# Altium PCB mini.PcbDoc
Units mil, origin at the board's own origin, x right, y up, seen from the top; angles counter-clockwise.
Board outline 3915 x 2850 mil, 2 copper layers (Top Layer, Bottom Layer); 47 components, 84 nets, 264 pads, 0 vias.
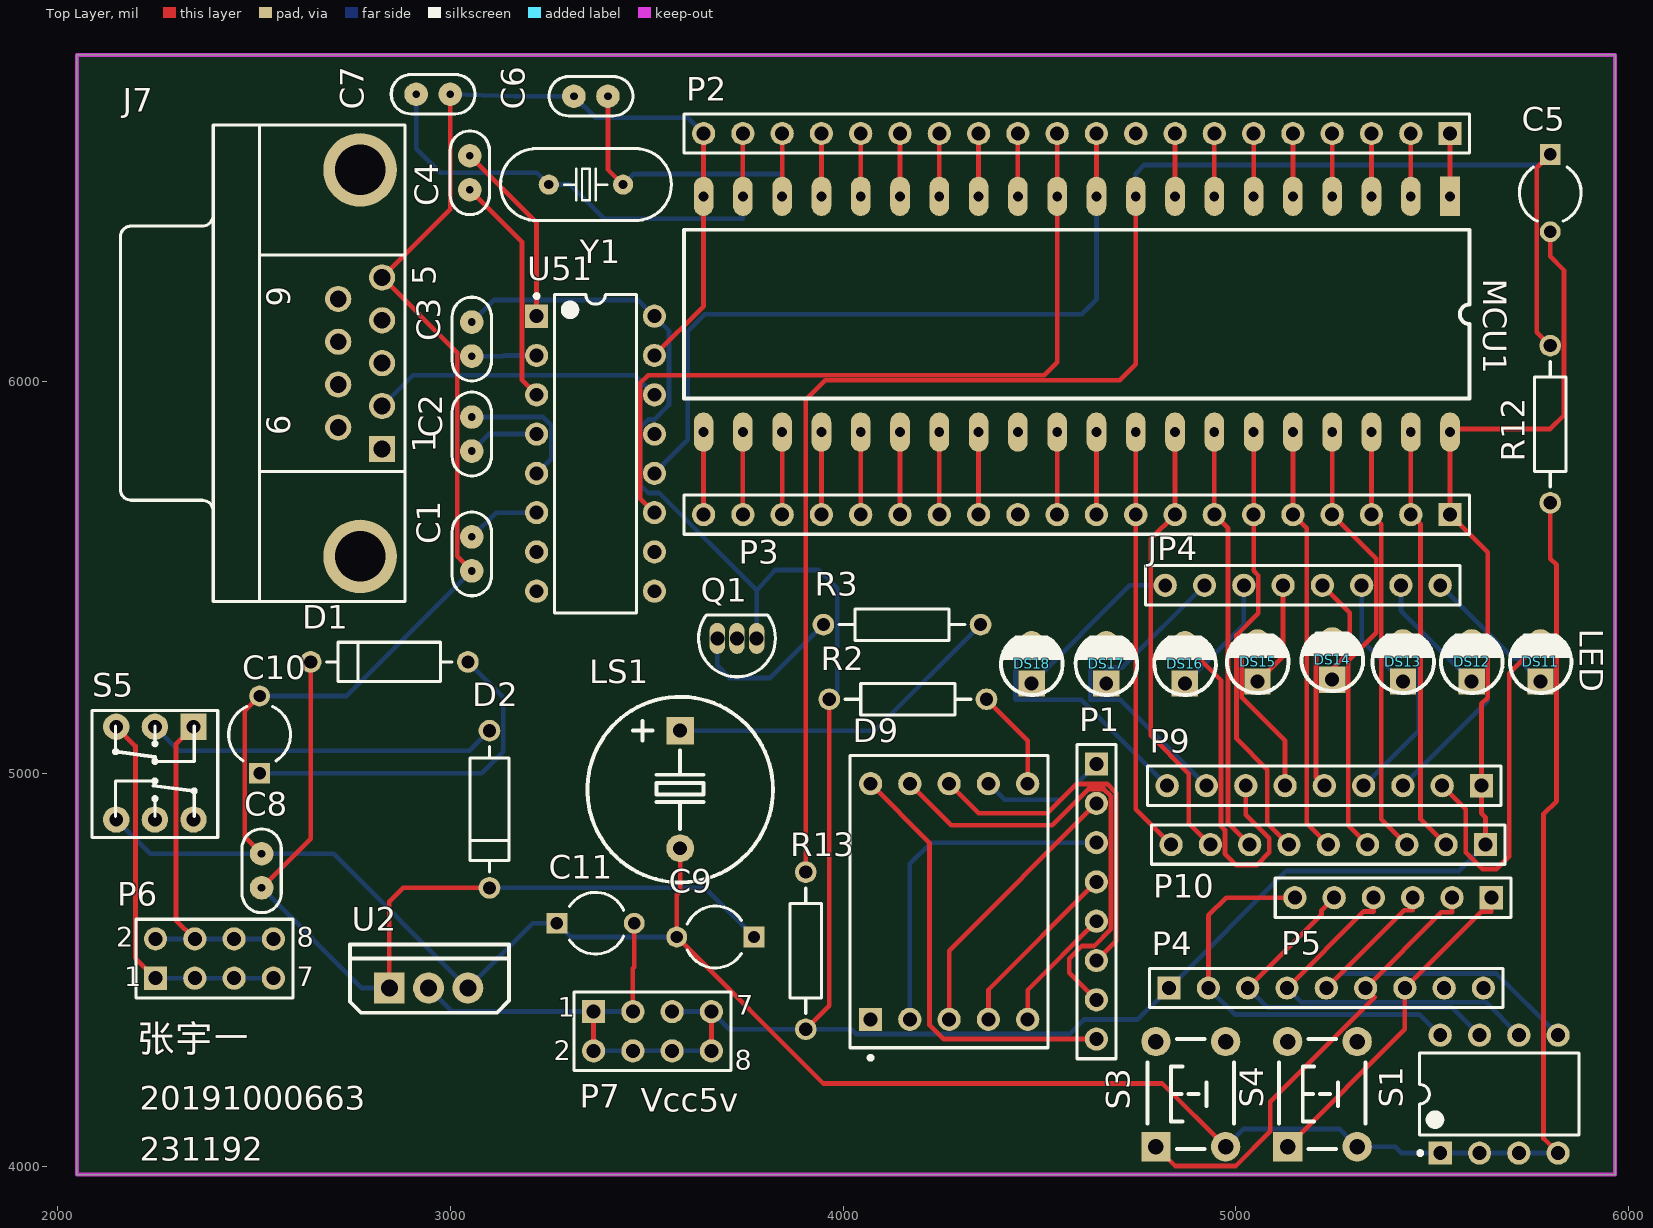
[diagram p0: Top Layer view]
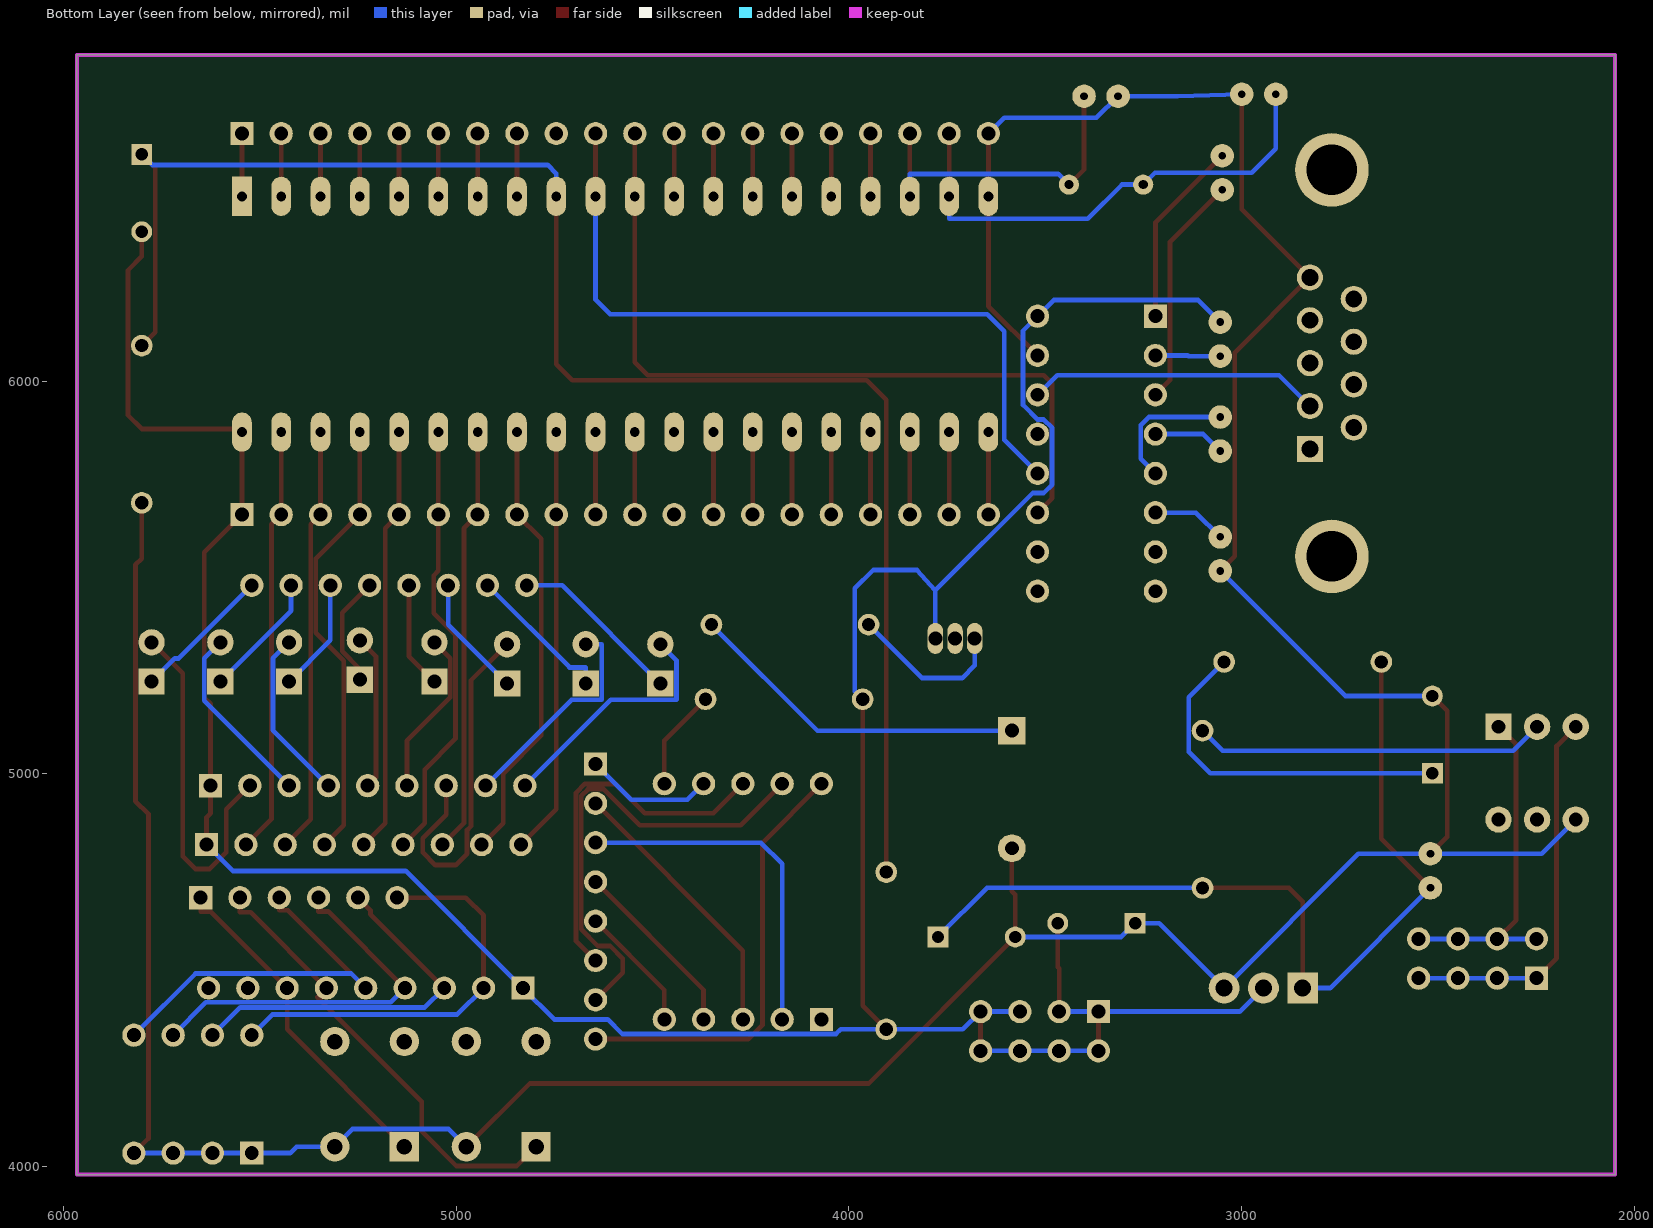
[diagram p1: Bottom Layer view, seen from below]

## Layer stack, top to bottom
Top Solder: solder mask 0.4, Solder Resist, Dk 3.5
Top Layer: signal copper 1.4
Dielectric 1: dielectric 12.6, FR-4, Dk 4.8
Bottom Layer: signal copper 1.4
Bottom Solder: solder mask 0.4, Solder Resist, Dk 3.5

## Board outline
2050,3980 2050,6830 5965,6830 5965,3980

## Design rules (kind name [scope] priority, off if disabled: settings)
Clearance [All] p1: gap=1 ignorepadtopadclearanceinfootprint=FALSE
HoleSize [All] p1: absolutevalues=TRUE maxlimit=200 minlimit=1 maxpercent=80.000 minpercent=20.000
HoleToHoleClearance [All] p1: gap=0 allowstackedmicrovias=TRUE
MinimumSolderMaskSliver [All] p1: minsoldermaskwidth=0
PolygonConnect [All] p1: connectstyle=Relief reliefconductorwidth=10 reliefentries=4 polygonreliefangle="90 Angle" airgapwidth=10
RoutingVias [All] p1: holewidth=32 width=62 viastyle="Through Hole" minholewidth=28 minwidth=50 maxholewidth=28 maxwidth=50
ShortCircuit [All] p1: allowed=TRUE
SilkToSilkClearance [All] p1: silktosilkclearance=0
SilkToSolderMaskClearance [IsPad] p1: minsilkscreentomaskgap=0 clearancetoexposedcopper=TRUE
SolderMaskExpansion [All] p1: expansion=4
Width [All] p1: maxlimit=12 minlimit=12 preferedwidth=12
24 further rules are at their usual default settings.

## Components (designator, comment, footprint, x,y, rotation, side; value= is the part's Value field where it differs from the comment)
C1 "Cap Pol2" "CC 2.2*5" 3055,5560 r90 top value=0.1uF
C2 "Cap Pol2" "CC 2.2*5" 3055,5865 r90 top value=0.1uF
C3 "Cap Pol2" "CC 2.2*5" 3055,6106.69 r90 top value=0.1uF
C4 "Cap Pol2" "CC 2.2*5" 3050,6530 r270 top value=0.1uF
C5 "Cap" CAPR5-4X5 5800,6478.43 r270 top value=10uF
C6 "Cap" "CC 2.2*5" 3358.31,6725 r0 top value=10uF
C7 "Cap" "CC 2.2*5" 2956.69,6730 r180 top value=10uF
C8 "Cap" "CC 2.2*5" 2520,4753.31 r270 top value=0.1uF
C9 "Cap2" CAPR5-4X5 3675,4585 r180 top value=100uF
C10 "Cap2" CAPR5-4X5 2515,5100 r90 top value=220uF
C11 "Cap" CAPR5-4X5 3370,4620 r0 top value=0.1uF
D1 "Diode 1N4007" DIODE-0.4 2845,5285 r180 top
D2 "Diode 1N4148" DIODE-0.4 3100,4910 r270 top
D9 "Dpy Amber-CC" H 4270,4675 r0 top
DS11 "LED0" "LED 3MM-R" 5775,5285 r90 top
DS12 "LED0" "LED 3MM-R" 5600,5285 r90 top
DS13 "LED0" "LED 3MM-R" 5425,5285 r90 top
DS14 "LED0" "LED 3MM-R" 5245,5290 r90 top
DS15 "LED0" "LED 3MM-R" 5055,5285 r90 top
DS16 "LED0" "LED 3MM-R" 4870,5280 r90 top
DS17 "LED0" "LED 3MM-R" 4670,5280 r90 top
DS18 "LED0" "LED 3MM-R" 4480,5280 r90 top
J7 "D Connector 9" DSUB1.385-2H9 2396.89,6045.47 r90 top
JP4 "Header 8H" HDR1X8#1 4820,5480 r0 top
LS1 "Speaker" "BEEP 7.6X12X7.5" 3585,4960 r180 top
MCU1 "AT89S5x" DIP40 5545,6470 r270 top
P1 "Header 8" HDR1X8#2 4645,5025 r270 top
P2 "Header 20H" HDR1X20 5545,6630 r180 top
P3 "Header 20H" HDR1X20 5545,5660 r180 top
P4 "Header 9" HDR1X9 4830,4455 r0 top
P5 "Header 6H" HDR1X6 5650,4685 r180 top
P6 "Header 4X2" HDR2X4#1 2250,4480 r0 top
P7 "Header 4X2" HDR2X4#2 3365,4395 r0 top
P9 "Header 9" HDR1X9 5625,4970 r180 top
P10 "Header 9" HDR1X9 5635,4820 r180 top
Q1 "2N3906" BCY-W3/E4 3730,5345 r90 top
R2 "Res2" AXIAL-0.4 4165,5190 r0 top value=100
R3 "Res2" AXIAL-0.4 4150,5380 r180 top value=1K
R12 "Res2" AXIAL-0.4 5800,5890 r90 top value=10K
R13 "SW-SPST" AXIAL-0.4 3905,4550 r270 top (schematic designator S13)
S1 "SW-DIP4" DIP-8 5670,4185 r90 top
S3 "SW-PB" "TSW DIP-6*6*5" 4885,4185 r90 top
S4 "SW-PB" "TSW DIP-6*6*5" 5220,4185 r90 top
S5 "SW-DPST" "KFT DIP-8X8" 2248.43,5001.89 r180 top
U2 "L7805CV" TO220A 2945,4455 r0 top
U51 "MAX232ACPE" DIP-16 3370,5815 r0 top
Y1 "XTAL" "OSC HC-49S" 3345.51,6500 r180 top value=12M

## Footprints (in the part's own frame and the unit in brackets; to place one, negate y for a bottom-side part, rotate by r counter-clockwise, add the part's x,y. Pads: shape width x height; smd on the part's side, far side on the other; paste and mask are expansions set on the pad)
AXIAL-0.4 [mm] "Axial Device, Thru-Hole; 2 Leads; 0.4 in Pin Spacing"
  round 1.4 hole 0.85: 1(-5.08,0) 2(5.08,0)
  silkscreen extent -4.06,-1.02 4.06,1.02
BCY-W3/E4 [mm]
  oval 2x1 hole 0.9: 1(0,-1.27) 2(0,0) 3(0,1.27)
  silkscreen extent -2.48,-2.48 1.5,2.48
"BEEP 7.6X12X7.5" [mm]
  rect 1.8x1.8 hole 0.9: 1(-0.011,-3.811)
  round 1.8 hole 0.9: 2(-0.011,3.789)
  silkscreen extent -6.01,-6 5.99,6, body extent -6.01,-5.93 5.99,6.07, height 7.55
CAPR5-4X5 [mm] "Capacitor; 2 Leads"
  rect 1.35x1.35 hole 0.8: 1(-2.5,0)
  round 1.35 hole 0.8: 2(2.5,0)
  silkscreen extent -1.69,-2 1.82,2
"CC 2.2*5" [mil]
  round 60 hole 19.68: 1(-43.31,0) 2(43.31,0)
  silkscreen extent -107,-50 107,50, body extent -94,-36 94,36, height 189
DIODE-0.4 [mm] "Diode, Thru-Hole; 2 Leads; 0.4 in Pin Spacing"
  round 1.4 hole 0.85: 1(-5.08,0) 2(5.08,0)
  silkscreen extent -4.06,-1.27 4.06,1.27
DIP40 [mil]
  rect 100x50 hole 25: 1(0,0)
  oval 100x50 hole 25: 2(0,-100) 3(0,-200) 4(0,-300) 5(0,-400) 6(0,-500) 7(0,-600) 8(0,-700) 9(0,-800) 10(0,-900) 11(0,-1000) 12(0,-1100) 13(0,-1200) 14(0,-1300) 15(0,-1400) 16(0,-1500) 17(0,-1600) 18(0,-1700) 19(0,-1800) 20(0,-1900) 21(600,-1900) 22(600,-1800) 23(600,-1700) 24(600,-1600) 25(600,-1500) 26(600,-1400) 27(600,-1300) 28(600,-1200) 29(600,-1100) 30(600,-1000) 31(600,-900) 32(600,-800) 33(600,-700) 34(600,-600) 35(600,-500) 36(600,-400) 37(600,-300) 38(600,-200) 39(600,-100) 40(600,0)
  silkscreen extent 85,-1950 515,50
DIP-8 [mm] "DIP; 8 Leads; Row Spacing 7.62 mm; Pitch 2.54 mm"
  rect 1.5x1.5 hole 0.9: 1(-3.81,3.81)
  round 1.5 hole 0.9: 2(-3.81,1.27) 3(-3.81,-1.27) 4(-3.81,-3.81) 5(3.81,-3.81) 6(3.81,-1.27) 7(3.81,1.27) 8(3.81,3.81)
  silkscreen extent -3.93,-5.15 2.65,5.23, body extent -3.6,-5.15 3.6,5.15, height 5.08
DIP-16 [mm] "DIP; 16 Leads; Row Spacing 7.62 mm; Pitch 2.54 mm"
  rect 1.5x1.5 hole 0.9: 1(-3.81,8.89)
  round 1.5 hole 0.9: 2(-3.81,6.35) 3(-3.81,3.81) 4(-3.81,1.27) 5(-3.81,-1.27) 6(-3.81,-3.81) 7(-3.81,-6.35) 8(-3.81,-8.89) 9(3.81,-8.89) 10(3.81,-6.35) 11(3.81,-3.81) 12(3.81,-1.27) 13(3.81,1.27) 14(3.81,3.81) 15(3.81,6.35) 16(3.81,8.89)
  silkscreen extent -3.93,-10.3 2.65,10.31, body extent -3.6,-10.28 3.6,10.28, height 5.08
DSUB1.385-2H9 [mm] "Connector; D Subminiature; 9 Position; Right Angle; Pitch 1.385 mm"
  rect 1.69x1.69 hole 1.09: 1(-5.54,-10.92)
  round 1.69 hole 1.09: 2(-2.77,-10.92) 3(0,-10.92) 4(2.77,-10.92) 5(5.54,-10.92) 6(-4.155,-8.08) 7(-1.385,-8.08) 8(1.385,-8.08) 9(4.155,-8.08)
  round 4.76 hole 3.26: 10(-12.495,-9.5) 11(12.495,-9.5)
  silkscreen extent -15.4,-12.4 15.4,6
H [mm] "LED, 7-Segment Display, 14.2 mm, RHD; 10 Leads; Row Space 15.24 mm; Pitch 2.54 mm"
  rect 1.5x1.5 hole 0.9: 1(-5.08,-7.62)
  round 1.5 hole 0.9: 2(-2.54,-7.62) 3(0,-7.62) 4(2.54,-7.62) 5(5.08,-7.62) 6(5.08,7.62) 7(2.54,7.62) 8(0,7.62) 9(-2.54,7.62) 10(-5.08,7.62)
  silkscreen extent -6.4,-10.22 6.4,9.45, body extent -6.4,-9.45 6.4,9.45, height 8.25
HDR1X6 [mm] "Connector; Header; 6 Position"
  rect 1.5x1.5 hole 0.9: 1(0,0)
  round 1.5 hole 0.9: 2(2.54,0) 3(5.08,0) 4(7.62,0) 5(10.16,0) 6(12.7,0)
  silkscreen extent -1.27,-1.27 13.97,1.27
HDR1X8#1 [mm] "Connector; Header; 8 Position"
  round 1.5 hole 0.9: 1(0,0) 2(2.54,0) 3(5.08,0) 4(7.62,0) 5(10.16,0) 6(12.7,0) 7(15.24,0) 8(17.78,0)
  silkscreen extent -1.27,-1.27 19.05,1.27
HDR1X8#2 [mm] "Connector; Header; 8 Position"
  rect 1.5x1.5 hole 0.9: 1(0,0)
  round 1.5 hole 0.9: 2(2.54,0) 3(5.08,0) 4(7.62,0) 5(10.16,0) 6(12.7,0) 7(15.24,0) 8(17.78,0)
  silkscreen extent -1.27,-1.27 19.05,1.27
HDR1X9 [mm] "Connector; Header; 3x2 Position"
  rect 1.5x1.5 hole 0.9: 1(0,0)
  round 1.5 hole 0.9: 2(2.54,0) 3(5.08,0) 4(7.62,0) 5(10.16,0) 6(12.7,0) 7(15.24,0) 8(17.78,0) 9(20.32,0)
  silkscreen extent -1.27,-1.27 21.59,1.27
HDR1X20 [mm] "Connector; Header; 20 Position"
  rect 1.5x1.5 hole 0.9: 1(0,0)
  round 1.5 hole 0.9: 2(2.54,0) 3(5.08,0) 4(7.62,0) 5(10.16,0) 6(12.7,0) 7(15.24,0) 8(17.78,0) 9(20.32,0) 10(22.86,0) 11(25.4,0) 12(27.94,0) 13(30.48,0) 14(33.02,0) 15(35.56,0) 16(38.1,0) 17(40.64,0) 18(43.18,0) 19(45.72,0) 20(48.26,0)
  silkscreen extent -1.27,-1.27 49.53,1.27
HDR2X4#1 [mm] "Connector; Header; 4x2 Position"
  rect 1.5x1.5 hole 0.9: 1(0,0)
  round 1.5 hole 0.9: 2(0,2.54) 3(2.54,0) 4(2.54,2.54) 5(5.08,0) 6(5.08,2.54) 7(7.62,0) 8(7.62,2.54)
  silkscreen extent -1.27,-1.27 8.89,3.81
HDR2X4#2 [mm]
  rect 1.5x1.5 hole 0.9: 1(0,0)
  round 1.5 hole 0.9: 2(0,-2.54) 3(2.54,0) 4(2.54,-2.54) 5(5.08,0) 6(5.08,-2.54) 7(7.62,0) 8(7.62,-2.54)
  silkscreen extent -1.27,-3.81 8.89,1.27
"KFT DIP-8X8" [mm]
  rect 1.7x1.7 hole 0.9: 1(-2.5,-3)
  round 1.7 hole 0.9: 2(0,-3) 3(2.5,-3) 4(2.5,3) 5(0,3) 6(-2.5,3)
  silkscreen extent -4.06,-4.06 4.06,4.15, body extent -3.95,-3.95 4.05,4.05, height 13.1
"LED 3MM-R" [mm]
  rect 1.7x1.7 hole 0.9: 1(-1.27,0)
  round 1.7 hole 0.9: 2(1.27,0)
  silkscreen extent -2.01,-2 1.72,1.98, body extent -1.95,-1.95 1.64,1.95, height 5.55
"OSC HC-49S" [mm]
  round 1.3 hole 0.6: 1(-2.4,0) 2(2.4,0)
  silkscreen extent -5.52,-2.32 5.52,2.33, body extent -5.52,-2.32 5.53,2.33, height 4.13
TO220A [mm]
  rect 2x2 hole 1.1: 1(-2.54,0)
  round 2 hole 1.1: 2(0,0) 3(2.54,0)
  silkscreen extent -5.08,-1.6 5.21,2.82, body extent -5.15,-1.53 5.15,2.9, height 18.5
"TSW DIP-6*6*5" [mm]
  rect 1.9x1.9 hole 1: 1(-3.4,2.25)
  round 1.9 hole 1: 2(-3.4,-2.25) 3(3.4,-2.25) 4(3.4,2.25)
  silkscreen extent -3.56,-2.79 3.56,2.79, body extent -4.11,-3 4.11,3, height 4.95

## Part data
C1 C2 C3 C4: "Polarized Capacitor (Axial)", LatestRevisionDate=17-Jul-2002, LatestRevisionNote="Re-released for DXP Platform.", Published=8-Jun-2000, Publisher="Altium Limited"
C5 C6 C7 C8 C9 C10 C11: "Capacitor", Publisher="Altium Limited"
  C5 C6 C7 C8 C11: LatestRevisionDate=17-Jul-2002, LatestRevisionNote="Re-released for DXP Platform.", Published=8-Jun-2000
  C9 C10: Published=23-Sep-2002
D1: "1 Amp General Purpose Rectifier", PackageDocument=Aug-1999, Code_JEDEC=DO-204-AL, DatasheetDocument=1998, LatestRevisionDate=17-Jul-2002, LatestRevisionNote="Re-released for DXP Platform.", PackageReference=DO-41, Published=8-Jun-2000, Publisher="Altium Limited"
D2: "High Conductance Fast Diode", Code_JEDEC=DO-204-AH, DatasheetDocument=1997, LatestRevisionDate=17-Jul-2002, LatestRevisionNote="Re-released for DXP Platform.", PackageReference=DO-35, Published=8-Jun-2000, Publisher="Altium Limited"
D9: "7.6 mm Black Surface 7-Segment Display: CC, RH DP", Colour=Orange, Package Information="Latest Revision: 19-Feb-2002", Package Reference=A, Datasheet="Latest Revision: 19-Feb-2002", Min. Intensity="354 ucd", Note="IF = 5 mA", Publisher="Altium Limited"
DS11 DS12 DS13 DS14 DS15 DS16 DS17 DS18: "Typical INFRARED GaAs LED", Published=8-Jun-2000, Publisher="Altium Limited"
  DS11 DS12: Revision="July-2002: Re-released for DXP Platform."
  DS13 DS14 DS15 DS16 DS17 DS18: LatestRevisionDate=17-Jul-2002, LatestRevisionNote="Re-released for DXP Platform."
J7: "Receptacle Assembly, 9 Position, Right Angle", PackageDocument=O, DatasheetDocument=1-Sep-1999, Gender=Receptacle, LatestRevisionDate=17-Jul-2002, LatestRevisionNote="Re-released for DXP Platform.", Orientation="Right Angle", PackageReference=788750, Positions=9, Published=15-Jun-2001, Publisher="Altium Limited"
JP4: "Header, 8-Pin, Right Angle", Publisher="Altium Limited", Revision="17-Jul-2002: Re-released for DXP Platform."
LS1: "Loudspeaker", LatestRevisionDate=17-Jul-2002, LatestRevisionNote="Re-released for DXP Platform.", Published=24-Mar-1999, Publisher="Altium Limited"
MCU1: "51单片机"
P1: "Header, 8-Pin", LatestRevisionDate=17-Jul-2002, LatestRevisionNote="Re-released for DXP Platform.", Publisher="Altium Limited"
P2 P3: "Header, 20-Pin, Right Angle", LatestRevisionDate=17-Jul-2002, LatestRevisionNote="Re-released for DXP Platform.", Publisher="Altium Limited"
P4 P9 P10: "Header, 9-Pin", LatestRevisionDate=17-Jul-2002, LatestRevisionNote="Re-released for DXP Platform.", Publisher="Altium Limited"
P5: "Header, 6-Pin, Right Angle", LatestRevisionDate=17-Jul-2002, LatestRevisionNote="Re-released for DXP Platform.", Publisher="Altium Limited"
P6 P7: "Header, 4-Pin, Dual row", LatestRevisionDate=17-Jul-2002, LatestRevisionNote="Re-released for DXP Platform.", Publisher="Altium Limited"
Q1: "PNP General Purpose Amplifier", Code_JEDEC=TO-92A, DatasheetDocument=1997, LatestRevisionDate=15-Jan-2003, LatestRevisionNote="PCB Footprint 'BCY-W3/D4.7' replaced", PackageReference=TO-92A, Published=8-Jun-2000, Publisher="Altium Limited"
R2 R3 R12: "Resistor", LatestRevisionDate=17-Jul-2002, LatestRevisionNote="Re-released for DXP Platform.", Published=8-Jun-2000, Publisher="Altium Limited"
R13: "Single-Pole, Single-Throw Switch", Published=24-Mar-1999, Publisher="Altium Limited", Revision="July-2002: Re-released for DXP Platform."
S1: "DIP Switch", Published=24-Mar-1999, Publisher="Altium Limited", Revision="July-2002: Re-released for DXP Platform."
S3 S4: "Switch", LatestRevisionDate=17-Jul-2002, LatestRevisionNote="Re-released for DXP Platform.", Published=24-Mar-1999, Publisher="Altium Limited"
S5: "Double-Pole, Single-Throw Switch", LatestRevisionDate=17-Jul-2002, LatestRevisionNote="Re-released for DXP Platform.", Published=24-Mar-1999, Publisher="Altium Limited"
U2: "Positive Voltage Regulator", PackageDocument=Jun-1998, DatasheetDocument=Dec-1998, LatestRevisionDate=17-Jul-2002, LatestRevisionNote="Re-released for DXP Platform.", Note="Tab is connected to pin 3 (GND).", PackageReference=TO220ABN, Published=24-Aug-2001, Publisher="Altium Limited"
U51: "+5V Powered, Multi-Channel RS-232 Driver/Receiver", PackageDocument=1997, Code_JEDEC=MS-001-BB, LatestRevisionDate=17-Jul-2002, LatestRevisionNote="Re-released for DXP Platform.", PackageReference=PE16A, Published=16-Jan-2001, Publisher="Altium Limited"
Y1: "Crystal Oscillator", LatestRevisionDate=17-Jul-2002, LatestRevisionNote="Re-released for DXP Platform.", Published=8-Jun-2000, Publisher="Altium Limited"

## Nets (pads, with @x,y where several pads share a name; then routed paths per layer and width w, separated by ;. In a path a pad name is that pad's centre, name@x,y a point inside that pad or via, vN(x,y) a via of type N, cw(c..) or ccw(c..) an arc to the next point about the centre after c; other vN are vias at no path point)
ALE: MCU1.30 P3.11 | length 210
  Top Layer w12: P3.11 MCU1.30
Bet+: P6.2 P6.4 P6.6 P6.8 S5.1 | length 878.5
  Top Layer w12: S5.1 2302,5075.15 2302,4628 P6.4
  Bottom Layer w12: P6.2 P6.4 P6.6 P6.8
Bet-: P6.1 P6.3 P6.5 P6.7 S5.3 | length 981.4
  Top Layer w12: S5.3 2199,5071 2199,4531 P6.1
  Bottom Layer w12: P6.1 P6.3 P6.5 P6.7
E\A\: MCU1.31 P3.10 | length 210
  Top Layer w12: P3.10 MCU1.31
GND: C1.1 C6.1 C7.1 C8.1 C9.2 C10.2 C11.1 J7.5 LS1.2 MCU1.20 P2.20 R12.1 S1.1 S1.2 S1.3 S1.4 S3.2 S4.2 S5.4 U2.3 U51.15 | length 9903.5
  Top Layer w12: C10.2 2477,5160.43 2477,4839.61 C8.1 ; C7.1 3000,6436.77 J7.5 3018,6072.39 3018,5553.69 C1.1 ; U51.15 3645,6190 MCU1.20 P2.20 ; LS1.2 3585.43,4701.85 3576.57,4693 C9.2 3949.57,4212 4812.72,4212 S3.2 ; R12.1 5800,5548 5816,5532 5816,4931 5783,4898 5783,4072 S1.4
  Bottom Layer w12: S5.4 2237.17,4796.61 C8.1 2703.39,4796.61 U2.3 3210,4620 C11.1 3306.57,4585 C9.2 ; C10.2 2736.73,5198.43 C1.1 ; C7.1 3163,6725 C6.1 3370,6670 3605,6670 P2.20 ; S3.2 5018.44,4096 5263.72,4096 S4.2 5406,4051.14 5422.14,4035 S1.1 S1.2 S1.3 S1.4
NetC1_2: C1.2 U51.6 | length 190.6
  Bottom Layer w12: C1.2 3116.69,5665 U51.6
NetC2_1: C2.1 U51.4 | length 182.9
  Bottom Layer w12: C2.1 3098.31,5865 U51.4
NetC2_2: C2.2 U51.5 | length 348.7
  Bottom Layer w12: C2.2 3236.69,5908.31 3257,5888 3257,5802 U51.5
NetC3_1: C3.1 U51.2 | length 165.7
  Bottom Layer w12: C3.1 3136,6063.39 3137.61,6065 U51.2
NetC4_1: C4.1 U51.1 | length 478.7
  Top Layer w12: C4.1 3220,6403.31 U51.1
NetC4_2: C4.2 U51.3 | length 592.1
  Top Layer w12: C4.2 3183,6353.69 3183,6002 U51.3
NetC8_2: C8.2 C9.1 D1.2 D2.2 U2.1 | length 2272.1
  Top Layer w12: C8.2 2645,4835 D1.2 ; U2.1 2845,4675 2880,4710 D2.2
  Bottom Layer w12: C8.2 2775,4455 U2.1 ; D2.2 3648.43,4710 C9.1
NetC10_1: C10.1 D1.1 | length 908.8
  Bottom Layer w12: C10.1 3080.57,5001.57 3135,5056 3135,5195 D1.1
NetD2_1: D2.1 S5.2 | length 898
  Bottom Layer w12: S5.2 2309.43,5059 3049,5059 D2.1
NetD9_2: D9.2 P1.3 | length 893.4
  Bottom Layer w12: D9.2 4170,4771 4224,4825 P1.3
NetD9_3: D9.3 P1.2 | length 705.3
  Top Layer w12: D9.3 4270,4550 P1.2
NetD9_4: D9.4 P1.4 | length 463.9
  Top Layer w12: D9.4 4370,4450 P1.4
NetD9_5: D9.5 P1.5 | length 322.5
  Top Layer w12: D9.5 4470,4450 P1.5
NetD9_6: D9.6 R2.2 | length 258.5
  Top Layer w12: R2.2 4470,5085 D9.6
NetD9_7: D9.7 P1.1 | length 329.7
  Bottom Layer w12: D9.7 4411,4934 4554,4934 P1.1
NetD9_8: D9.8 P1.6 | length 943.3
  Top Layer w12: D9.8 4345,4900 4520,4900 4594.53,4974.53 4672,4974.53 4694.53,4952 4694.53,4574.53 P1.6
NetD9_9: D9.9 P1.7 | length 1210.5
  Top Layer w12: D9.9 4276,4869 4532,4869 4624.53,4961.53 4664,4961.53 4681.53,4944 4681.53,4604.53 4639,4562 4608,4562 4576,4530 4576,4494 P1.7
NetD9_10: D9.10 P1.8 | length 1116
  Top Layer w12: D9.10 4220,4825 4220,4361 4256,4325 P1.8
NetDS11_1: DS11.1 JP4.8 | length 356.5
  Bottom Layer w12: JP4.8 5706,5294 5716,5294 DS11.1
NetDS11_2: DS11.2 P9.2 | length 914.2
  Top Layer w12: P9.2 5585,4910 5585,4800 5627,4758 5664,4758 5696,4790 5696,5256 DS11.2
NetDS12_1: DS12.1 JP4.7 | length 319.6
  Bottom Layer w12: JP4.7 5420,5415 DS12.1
NetDS12_2: DS12.2 P9.3 | length 471.5
  Bottom Layer w12: P9.3 5641,5186 5641,5294 DS12.2
NetDS13_1: DS13.1 JP4.6 | length 288.5
  Bottom Layer w12: JP4.6 5320,5340 DS13.1
NetDS13_2: DS13.2 P9.4 | length 440.4
  Bottom Layer w12: P9.4 5466,5111 5466,5294 DS13.2
NetDS14_1: DS14.1 JP4.5 | length 287.6
  Top Layer w12: JP4.5 5290,5410 5290,5312 5245,5267 DS14.1
NetDS14_2: DS14.2 P9.5 | length 395.7
  Top Layer w12: P9.5 5204,4991 5204,5299 DS14.2
NetDS15_1: DS15.1 JP4.4 | length 271.9
  Top Layer w12: DS15.1 5120,5300 JP4.4
NetDS15_2: DS15.2 P9.6 | length 427.5
  Top Layer w12: DS15.2 5014.53,5294.53 5014.53,5194.53 5125,5084.07 P9.6
NetDS16_1: DS16.1 JP4.3 | length 312.1
  Bottom Layer w12: DS16.1 5020,5380 JP4.3
NetDS16_2: DS16.2 P9.7 | length 908.4
  Top Layer w12: DS16.2 4962,5238 4962,4867 4972,4857 4972,4797 5001,4768 5053,4768 5085,4800 5085,4836 5025,4896 P9.7
NetDS17_1: DS17.1 JP4.2 | length 377.6
  Bottom Layer w12: DS17.1 4670,5271 4711,5271 JP4.2
NetDS17_2: DS17.2 P9.8 | length 568.7
  Bottom Layer w12: DS17.2 4629,5330 4629,5189 4706,5189 P9.8
NetDS18_1: DS18.1 JP4.1 | length 443.6
  Bottom Layer w12: DS18.1 4730,5480 JP4.1
NetDS18_2: DS18.2 P9.9 | length 634.7
  Bottom Layer w12: DS18.2 4439,5289 4439,5189 4606,5189 P9.9
NetJ7_2: J7.2 U51.14 | length 746.4
  Bottom Layer w12: J7.2 2905.39,6015 3470,6015 U51.14
NetLS1_1: LS1.1 R3.1 | length 876.4
  Bottom Layer w12: LS1.1 4080.03,5110.03 R3.1
NetP4_2: P4.2 P5.6 S1.8 | length 1063.3
  Top Layer w12: P4.2 4930,4640 4975,4685 P5.6
  Bottom Layer w12: P4.2 4997.12,4387.88 5467.12,4387.88 S1.8
NetP4_3: P4.3 P5.5 S1.7 | length 960.8
  Top Layer w12: P4.3 5218,4643 5218,4653 P5.5
  Bottom Layer w12: P4.3 5079.53,4405.47 5549.53,4405.47 S1.7
NetP4_4: P4.4 P5.4 S1.6 | length 975.5
  Top Layer w12: P4.4 5325,4650 5350,4650 P5.4
  Bottom Layer w12: P4.4 5166.53,4418.47 5636.53,4418.47 S1.6
NetP4_5: P4.5 P5.3 S1.5 | length 1004.4
  Top Layer w12: P4.5 5428,4653 5450,4653 P5.3
  Bottom Layer w12: P4.5 5267,4492 5663,4492 S1.5
NetP4_6: P4.6 P5.2 S3.1 | length 1169
  Top Layer w12: S3.1 4845.56,4002 4999,4002 5087,4090 5087,4166 5353,4432 P4.6 5523,4648 5550,4648 P5.2
NetP4_7: P4.7 P5.1 S4.1 | length 863.9
  Top Layer w12: S4.1 5430,4349.72 P4.7 5624,4649 5650,4649 P5.1
NetQ1_3: Q1.3 R3.2 | length 408.6
  Bottom Layer w12: Q1.3 3680,5276 3712,5244 3814,5244 R3.2
P0.0: MCU1.39 P3.2 P10.2 | length 1087.3
  Top Layer w12: MCU1.39 P3.2 5470,5635 5470,4885 P10.2
P0.1: MCU1.38 P3.3 P10.3 | length 1087.3
  Top Layer w12: MCU1.38 P3.3 5370,5635 5370,4885 P10.3
P0.2: MCU1.37 P3.4 P10.4 | length 1146.1
  Top Layer w12: MCU1.37 P3.4 5357,5548 5357,5359 5286,5288 5286,4869 P10.4
P0.3: MCU1.36 P3.5 P10.5 | length 1087.3
  Top Layer w12: MCU1.36 P3.5 5180,5625 5180,4875 P10.5
P0.4: MCU1.35 P3.6 P10.6 | length 1133.2
  Top Layer w12: MCU1.35 P3.6 5045,5517 5057,5505 5057,5409 5001.53,5353.53 5001.53,5089.47 5080,5011 5080,4875 P10.6
P0.5: MCU1.34 P3.7 P10.7 | length 1087.3
  Top Layer w12: MCU1.34 P3.7 4980,5625 4980,4875 P10.7
P0.6: MCU1.33 P3.8 P10.8 | length 1138.6
  Top Layer w12: MCU1.33 P3.8 4783,5598 4783,5098 4880,5001 4880,4875 P10.8
P0.7: MCU1.32 P3.9 P10.9 | length 1087.3
  Top Layer w12: MCU1.32 P3.9 4745,4910 P10.9
P1.0: MCU1.1 P2.1 | length 160
  Top Layer w12: MCU1.1 P2.1
P1.1: MCU1.2 P2.2 | length 160
  Top Layer w12: MCU1.2 P2.2
P1.2: MCU1.3 P2.3 | length 160
  Top Layer w12: MCU1.3 P2.3
P1.3: MCU1.4 P2.4 | length 160
  Top Layer w12: MCU1.4 P2.4
P1.4: MCU1.5 P2.5 | length 160
  Top Layer w12: MCU1.5 P2.5
P1.5: MCU1.6 P2.6 | length 160
  Top Layer w12: MCU1.6 P2.6
P1.6: MCU1.7 P2.7 | length 160
  Top Layer w12: MCU1.7 P2.7
P1.7: MCU1.8 P2.8 | length 160
  Top Layer w12: MCU1.8 P2.8
P2.0: MCU1.21 P3.20 | length 210
  Top Layer w12: P3.20 MCU1.21
P2.1: MCU1.22 P3.19 | length 210
  Top Layer w12: P3.19 MCU1.22
P2.2: MCU1.23 P3.18 | length 210
  Top Layer w12: P3.18 MCU1.23
P2.3: MCU1.24 P3.17 | length 210
  Top Layer w12: P3.17 MCU1.24
P2.4: MCU1.25 P3.16 | length 210
  Top Layer w12: P3.16 MCU1.25
P2.5: MCU1.26 P3.15 | length 210
  Top Layer w12: P3.15 MCU1.26
P2.6: MCU1.27 P3.14 | length 210
  Top Layer w12: P3.14 MCU1.27
P2.7: MCU1.28 P3.13 | length 210
  Top Layer w12: P3.13 MCU1.28
P3.0: MCU1.10 P2.10 U51.12 | length 1893.3
  Top Layer w12: MCU1.10 P2.10
  Bottom Layer w12: U51.12 3605,5850 3605,6127 3648,6170 4608,6170 4645,6207 MCU1.10
P3.1: MCU1.11 P2.11 U51.11 | length 2010.7
  Top Layer w12: U51.11 3483,5702 3483,5994 3504,6015 4512,6015 4545,6048 MCU1.11 P2.11
P3.2: MCU1.12 P2.12 | length 160
  Top Layer w12: MCU1.12 P2.12
P3.3: MCU1.13 P2.13 | length 160
  Top Layer w12: MCU1.13 P2.13
P3.4: MCU1.14 P2.14 | length 160
  Top Layer w12: MCU1.14 P2.14
P3.5: MCU1.15 P2.15 | length 160
  Top Layer w12: MCU1.15 P2.15
P3.6: MCU1.16 P2.16 | length 160
  Top Layer w12: MCU1.16 P2.16
P3.7: MCU1.17 P2.17 | length 160
  Top Layer w12: MCU1.17 P2.17
R\S\T\: C5.1 MCU1.9 R12.2 R13.1 | length 4154.9
  Top Layer w12: R13.1 3905,5952 3955,6002 4704,6002 4745,6043 MCU1.9 ; R12.2 5766,6124 5766,6542.85 C5.1
  Bottom Layer w12: MCU1.9 4745,6528 4767,6550 5773.15,6550 C5.1
VCC: C3.2 C5.2 C11.2 MCU1.40 P3.1 P4.1 P7.1 P7.2 P7.3 P7.4 P7.5 P7.6 P7.7 P7.8 P9.1 P10.1 Q1.1 R2.1 R13.2 U2.2 U51.16 | length 8381.7
  Top Layer w12: P7.2 P7.1 ; P7.3 3465,4505 3468.43,4508.43 C11.2 ; P7.8 P7.7 ; R13.2 3965,4410 R2.1 ; P10.1 5635,4890 5625,4900 P9.1 5625,5178 5641,5194 5641,5564 P3.1 MCU1.40 5545,5878 5800,5878 5835,5913 5835,6282 5800,6317 C5.2
  Bottom Layer w12: U2.2 3005,4395 P7.1 P7.3 ; C3.2 3111,6206 3479,6206 U51.16 3557,6128 3557,5939 3520,5902 3504,5902 3483,5881 3483,5736 3504,5715 3532,5715 3780,5467 ; P7.2 P7.4 P7.6 P7.8 ; P7.5 P7.7 3710,4350 R13.2 4021,4350 4033,4338 4577,4338 4614,4375 4750,4375 P4.1 5128,4753 5568,4753 P10.1 ; Q1.1 3780,5467 ; R2.1 3985,5210 3985,5472 3938,5519 3827,5519 3780,5467
XTAL1: C7.2 MCU1.19 P2.19 Y1.2 | length 1261
  Top Layer w12: MCU1.19 P2.19
  Bottom Layer w12: C7.2 2913.39,6591.61 2975,6530 3221.02,6530 Y1.2 3305,6500 3392,6413 3745,6413 MCU1.19
XTAL2: C6.2 MCU1.18 P2.18 Y1.1 | length 874.1
  Top Layer w12: C6.2 3401.62,6538.38 Y1.1 ; MCU1.18 P2.18
  Bottom Layer w12: Y1.1 3467,6527 3845,6527 MCU1.18
pads on no net: D9.1 J7.1 J7.3 J7.4 J7.6 J7.7 J7.8 J7.9 J7.10 J7.11 MCU1.29 P2.9 P3.12 P4.8 P4.9 Q1.2 S3.3 S3.4 S4.3 S4.4 S5.5 S5.6 U51.7 U51.8 U51.9 U51.10 U51.13

## Keep-outs
Keep-Out Layer:
  the board outline again, w10

## Silkscreen, mask and mechanical layers (free items; w line width, h text height)
Top Overlay:
  text "LED" at 5875,5370 h60 r270
  text "张宇一" at 2205,4270 h120
  text "20191000663" at 2210,4145 h60
  text "Vcc5v" at 3485,4140 h60
  text "231192" at 2210,4015 h60
Drill Drawing:
  text ".LEGEND" at 7200,3200 h60
  text "Drill Drawing." at 7200,3100 h60

## Dimensions
2040,3855 to 5975,3805 on Mechanical 1
1910,6820 to 1905,3975 on Mechanical 1

## Text inside footprints (layer, text, board x,y; h text height)
J7: Top Overlay "6" at 2592.76,5862.2 h59.06 r90; Top Overlay "9" at 2592.76,6189.37 h59.06 r90; Top Overlay "5" at 2962.83,6243.9 h59.06 r90; Top Overlay "1" at 2962.83,5817.52 h59.06 r90
P6: Top Overlay "2" at 2150,4560 h50; Top Overlay "1" at 2170,4460 h50; Top Overlay "7" at 2610,4460 h50; Top Overlay "8" at 2610,4560 h50
P7: Top Overlay "2" at 3263.75,4271.54 h50; Top Overlay "1" at 3273.75,4381.54 h50; Top Overlay "7" at 3728.75,4386.54 h50; Top Overlay "8" at 3723.75,4246.54 h50